# KiCad board thunderbolt-adapter.kicad_pcb (continued)
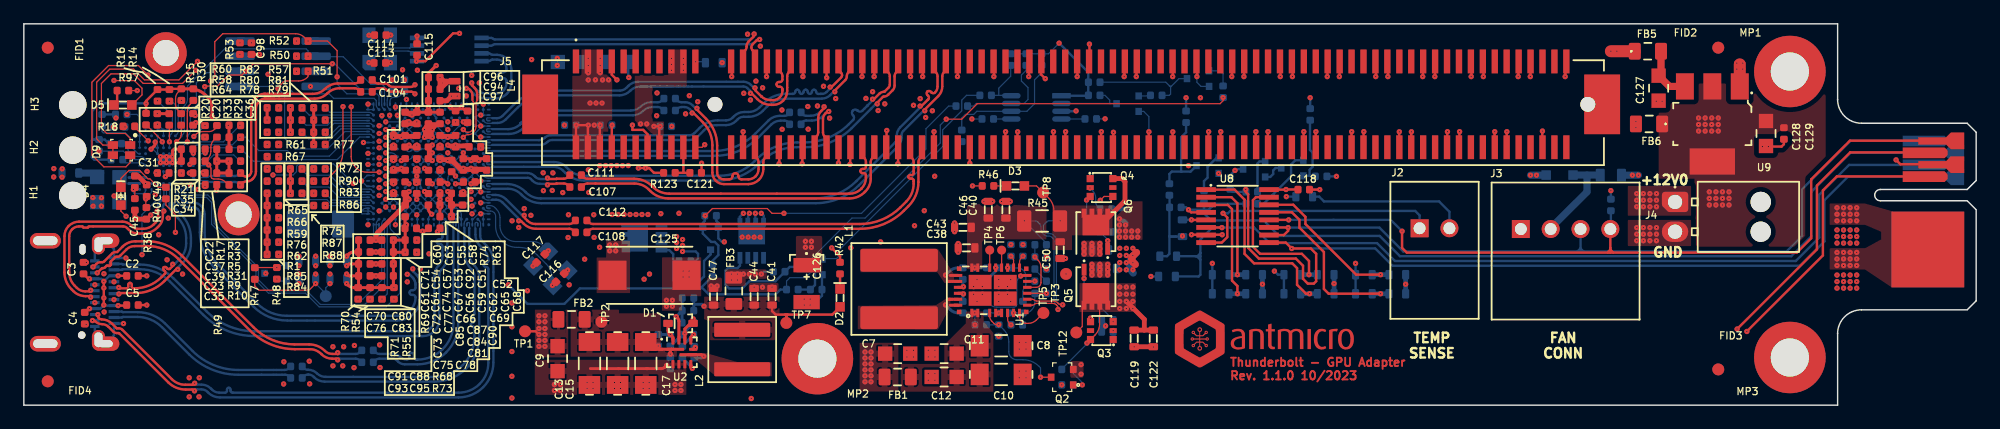
[diagram p0: board, top side]
## Nets (continued)
Net-(D9-Pad1): D9.1 R127.2
Net-(D9-Pad2): D9.2 R128.2
Net-(L3-Pad1): L3.1 U4.C1 U4.C2 U4.D1
Net-(Q1-Pad1): Q1.1 R47.2 R48.2
Net-(Q1-Pad3): Q1.3 R49.1
Net-(Q2-Pad1): Q2.1 R91.2 R92.2
Net-(Q3-Pad2): Q3.2 R93.2
Net-(Q3-Pad3): Q3.3 Q5.4 R95.2
Net-(Q3-Pad4): Q3.4 Q5.1 Q5.2 Q5.3 R98.2
Net-(Q4-Pad2): Q4.2 R94.2
Net-(Q4-Pad3): Q4.3 Q6.4 R96.2
Net-(Q4-Pad4): Q4.4 Q6.1 Q6.2 Q6.3 R99.2
Net-(Q7-Pad3): Q7.3 Q9.4 R121.1
Net-(Q10-Pad4): Q8.3 Q10.4 R122.1
Net-(Q11-Pad1): Q11.1 R117.2
Net-(Q11-Pad3): Q11.3 R126.1 R127.1
Net-(Q12-Pad1): Q12.1 R132.2
Net-(Q12-Pad2): Q12.2 Q13.3
Net-(Q13-Pad1): Q13.1 R131.2
Net-(Q13-Pad2): Q13.2 R128.1 R133.2
Net-(Q14-Pad1): Q14.1 R134.2
Net-(Q14-Pad3): Q14.3 R135.1 R136.1
Net-(Q15-Pad1): Q15.1 R136.2
Net-(Q15-Pad3): Q15.3 R137.1 U10.2
Net-(R12-Pad2): R12.2 U1.13
Net-(R13-Pad2): R13.2 U1.8
Net-(R14-Pad2): R14.2 U3.A5
Net-(R15-Pad2): R15.2 U3.B5
Net-(R16-Pad2): R16.2 U3.B6
Net-(R17-Pad2): R17.2 U3.B2
Net-(R18-Pad2): R18.2 U3.C10
Net-(R19-Pad2): R19.2 U3.G10
Net-(R20-Pad2): R20.2 U3.D7
Net-(R21-Pad2): R21.2 U3.E2 U3.F2
Net-(R24-Pad2): R24.2 R27.1 U1.19
Net-(R25-Pad1): R25.1 U1.15
Net-(R28-Pad1): R28.1 U1.18
Net-(R29-Pad1): R29.1 U3.D5
Net-(R30-Pad1): R30.1 U3.E4
Net-(R31-Pad1): R31.1 U3.F1
Net-(R32-Pad1): R32.1 U3.E11
Net-(R33-Pad1): R33.1 U3.D6
Net-(R34-Pad1): R34.1 U3.F10
Net-(R35-Pad1): R35.1 U3.G2
Net-(R43-Pad1): R43.1 R44.2 U1.14
Net-(R56-Pad2): R56.2 U4.AC5
Net-(R57-Pad2): R57.2 U4.AA2
Net-(R58-Pad2): R58.2 U4.Y5
Net-(R59-Pad2): R59.2 U4.R4
Net-(R60-Pad2): R60.2 U4.Y6
Net-(R61-Pad2): R61.2 U4.Y8
Net-(R62-Pad2): R62.2 U4.N4
Net-(R63-Pad2): R63.2 U4.Y18
Net-(R64-Pad2): R64.2 U4.Y4
Net-(R65-Pad2): R65.2 U4.V4
Net-(R66-Pad2): R66.2 U4.T4
Net-(R67-Pad2): R67.2 U4.W4
Net-(R68-Pad2): R68.2 U4.H19
Net-(R69-Pad1): R69.1 U4.J6
Net-(R69-Pad2): R69.2 U4.H6
Net-(R70-Pad1): R70.1 U4.B4
Net-(R71-Pad1): R71.1 U4.B5
Net-(R72-Pad1): R72.1 U4.G2
Net-(R73-Pad1): R73.1 U4.F19
Net-(R74-Pad1): R74.1 U4.N16
Net-(R75-Pad1): R75.1 U4.G1
Net-(R76-Pad1): R76.1 U4.N6
Net-(R77-Pad1): R77.1 U4.V2
Net-(R78-Pad1): R78.1 U4.W1
Net-(R79-Pad1): R79.1 U4.W2
Net-(R80-Pad1): R80.1 U4.Y1
Net-(R81-Pad1): R81.1 U4.Y2
Net-(R82-Pad1): R82.1 U4.AA1
Net-(R83-Pad1): R83.1 U4.E2
Net-(R84-Pad1): R84.1 U4.D4
Net-(R85-Pad1): R85.1 U4.H4
Net-(R86-Pad1): R86.1 U4.D2
Net-(R87-Pad1): R87.1 U4.F1
Net-(R88-Pad1): R88.1 U4.E1
Net-(R89-Pad1): R89.1 U4.AB5
Net-(R138-Pad2): R138.2 U10.5
Net-(R139-Pad1): R139.1 R142.1 U10.8
Net-(R140-Pad1): R140.1 R143.1 U10.7
Net-(R141-Pad1): R141.1 R144.1 U10.6
Net-(TP4-Pad1): TP4.1 U1.22
Net-(TP5-Pad1): TP5.1 U1.10
Net-(TP6-Pad1): TP6.1 U1.20

Pads without a net: J5 A1 A5 A6 A7 A8 A19 A32 A33 A35 A36 A39 A40 A43 A44 A47 A48 A50 A52 A53 A56 A57 A60 A61 A64 A65 A68 A69 A72 A73 A76 A77 A80 A81 B5 B6 B9 B12 B17 B30 B31 B33 B34 B37 B38 B41 B42 B45 B46 B48 B50 B51 B54 B55 B58 B59 B62 B63 B66 B67 B70 B71 B74 B75 B78 B79 B81 B82 S1 S2; MP4 1; MP5 1; Q3 1 5; Q4 1 5; U1 MP; U3 A9 A10 B9 B10 C2 D10 E10 F4 G4 G11 H6 L11; U4 A7 A9 A11 A13 A23 AB7 AB9 AB11 AB13 AB15 AB17 AB19 AB21 AB23 AC7 AC9 AC11 AC13 AC15 AC17 AC19 AC21 AC23 B7 B9 B11 B13 B23 D19 E18 E19 J1 J2 L1 L2 N1 N2 R1 R2 V18 W11 W12 W16 W19 Y11 Y12 Y16 Y19

## Via types
v1: diameter 0.45, hole 0.1, Top to Bottom, 1002 vias

## Routing (per net, layer and track width the routed paths; a pad name or vN(x,y) marks a point on that pad's centre or on a via; arc(x,y) is an arc through that point)
3V3_FAN_CTRL: length 171.1
  Top w0.1: v1(14.55,28.85) 13,27.3 10.1,27.3 9.2,28.2 7.2,28.2 6.1,27.1 6.1,22.35 6.62,21.83 D9.4 D9.3 ; 106.77,18.1 C118.2 ; 105.74,18.09 arc(105.76,18.09) v1(105.78,18.1)
  Top w0.2: U8.16 105.74,18.09 ; v1(105.78,18.1) 106.77,18.1
  In2.Cu w0.1: v1(14.55,28.85) 14.6,28.9 25.2,28.9 26.6,30.3 58.8,30.3 60.4,28.7 98.3,28.7 99,28 99,26.9 98.6,26.5 v1(98.6,25.8)
  In2.Cu w0.2: v1(99.6,11.9) 100.8,13.1 101.6,13.1
  In2.Cu w0.6: v1(135.1,23.8) v1(135.1,23.3) 134.9,23.5 128.2,23.5 127.9,23.8 102.3,23.8 101.6,23.1 101.6,13.1
  Bottom w0.2: 96.55,14.15 R119.2 ; 96.55,14.15 96.05,14.15 96,14.2 96,16.58 R114.2 96.01,17.6 R126.2 ; 96.55,14.15 96,14.15 96,12.7 95.8,12.5 R112.2 ; R102.2 105.6,10.6 ; R108.2 105.1,10.95 v1(104.8,11.25) ; R106.2 v1(111.6,11.9) ; R104.2 R110.2 v1(99.6,11.9) ; R129.2 101.1,19.3 101.6,19.8 102.18,19.8
  vias: v1(97.1,14.2) v1(97.6,20.1) v1(101.5,19.7)
3V3_PCIE: length 146.3
  Top w0.2: 159.49,19.2 151.94,19.2 150.77,18.03 150.77,12.57 144.4,6.19 v1(144.4,6.19) ; 53.25,22.26 53.25,23.33 v1(53.32,23.4) v1(52.8,23.4)
  In2.Cu w0.2: v1(60.2,14.1) 59.67,14.1 56.61,17.16 54.86,17.16 53.83,16.13 53.83,10.42 63.69,0.56 141.99,0.56 144.16,2.73 144.16,5.95 v1(144.4,6.19)
  Bottom w0.2: 61,14.36 60,15.36 60,15.8 v1(60.3,16.1) ; 61,14.36 60.7,14.66 60.7,16 v1(60.8,16.1) ; 61,14.36 62,15.36 62,15.9 v1(61.8,16.1) ; 61,14.36 61.3,14.66 v1(61.3,16.1)
  vias: v1(51.68,23.6) v1(52.2,23.6) v1(54.27,29.1) v1(54.27,28.6) v1(54.27,28.1) v1(55.27,29.1) v1(55.27,28.6) v1(55.27,28.1) v1(60.7,14.1) v1(61.2,14.1) v1(61.7,14.1) v1(65.5,13.75) v1(65.5,13.25) v1(66,13.75) v1(66,13.25)
3V3_PCIE_AUX: length 3.4
  Top w0.2: J5.B10 55.27,19.53 55.3,19.5 ; 55.3,19.5 C121.2 ; 55.3,19.5 R123.2
3V3_PGOOD: length 1.6
  Top w0.25: U2.5 55.89,3.3 arc(55.91,3.22) 55.96,3.15 v1(56.02,3.09)
  Bottom w0.25: R23.1 56,3.14 arc(56.02,3.13) 56.02,3.11 v1(56.02,3.09)
3V3_SYS: length 108.8
  Top w0.1: D4.1 8.13,16.29 v1(8.57,15.85)
  Top w0.2: 52.4,19.9 v1(51.5,19.9) ; 52.4,19.9 v1(52.1,19.9) ; 52.4,19.9 52.8,19.5 53.62,19.5 ; v1(32.9,28.87) 33.64,28.87 35.97,31.2 v1(36.51,31.2)
  Top w0.25: 32.05,17.87 32.01,17.83 arc(31.97,17.76) 31.95,17.68 ; R2.2 R3.2 R5.2 ; C115.2 U6.1 ; L4.2 35.98,25.94 arc(35.88,25.92) 35.79,25.86
  Top w0.4: C93.2 v1(29.51,12.85) C95.2 ; C97.2 35.44,25.54 v1(35.83,25.93) ; C76.2 v1(29.51,10.85) C83.2 ; v1(29.51,13.85) 29.51,14.1 arc(29.55,14.32) 29.68,14.51 C73.2 ; v1(29.51,13.85) C88.2 ; v1(29.51,13.85) C91.2 ; C73.2 31.95,16.95 v1(32.28,17.28) U4.F8 C72.2 C73.2 ; C70.2 v1(29.51,11.85) C80.2
  In2.Cu w0.1: v1(11.3,14.3) 10.6,15 8.7,15 8.57,15.13 v1(8.57,15.85)
  In2.Cu w0.2: 51.9,10.5 52.89,11.49 52.89,18.71 52.1,19.5 v1(52.1,19.9) v1(51.5,19.9) ; v1(36.51,31.2) 59.58,31.2 61.23,29.55 85.93,29.55 v1(86.76,30.38)
  Bottom w0.1: U3.H1 14.86,19.6 arc(14.92,19.59) 14.97,19.56 v1(15.01,19.51) ; v1(29.51,13.85) 29.52,13.86 arc(29.53,13.88) 29.53,13.89 29.53,15.21 arc(29.56,15.36) 29.65,15.49 U4.B3 ; v1(29.51,13.85) 29.4,13.95 arc(29.33,14.07) 29.3,14.2 U4.A2 U4.A3 29.76,14.29 arc(29.73,14.12) 29.63,13.98 v1(29.51,13.85) ; v1(15.18,22.5) 15.13,22.55 arc(15.07,22.59) 15,22.6 U3.B1 ; 32.6,18.25 v1(32.28,17.93) U4.F8 v1(32.28,17.28) ; R139.2 R141.2 85.87,29.48 v1(86.76,30.38)
  Bottom w0.2: U10.1 89.2,25.97 89.2,27.94 v1(86.76,30.38) ; R121.2 62,11.2 v1(61.8,11)
  vias: v1(17.14,23.48) v1(18.11,30.41) v1(19.07,30.4) v1(20.39,22.9) v1(20.39,20.85) v1(20.39,19.85) v1(20.39,18.8) v1(22.85,30.56) v1(22.85,29.28) v1(22.85,28.02) v1(24.29,18.8) v1(24.29,17.8) v1(31.89,27.3) v1(36.32,25.93) v1(51.98,10.57) v1(52.43,11) v1(59.3,11) v1(59.3,10.5) v1(59.8,11) v1(59.8,10.5) v1(60.3,11) v1(60.8,11) v1(61.3,11)
5V0_USB: length 112.1
  Top w0.2: 159.07,21.21 153.05,21.21 150.27,18.43 150.27,13.08 v1(143.58,6.39) ; v1(7.9,8.35) 8.57,8.35 C5.2 ; v1(5.5,10.6) 5.42,10.6 C3.2 ; C2.2 8.61,10.85 v1(7.9,10.85) ; TP1.1 42.9,6.2 v1(43.16,5.93) ; C4.2 5.42,8.1 v1(5.5,8.1) ; v1(6.7,8.4) v1(6.7,10.39)
  In2.Cu w0.2: v1(70.99,1.96) 71.78,1.17 141.46,1.17 143.58,3.29 v1(143.58,6.39)
  Bottom w0.1: v1(5.5,8.1) 5.94,8.1 J9.B9
  Bottom w0.2: 7.55,8.35 6.75,8.35 v1(6.7,8.4) 6.4,8.1 5.95,8.1 ; 7.55,10.85 7.16,10.85 v1(6.7,10.39) 6.49,10.6 5.95,10.6 ; J9.B4 5.94,10.6 v1(5.5,10.6)
  vias: v1(2.51,19.85) v1(2.5,19.15) v1(3.21,19.83) v1(3.2,19.13) v1(6.7,9.84) v1(6.7,9) v1(43.16,7.5) v1(43.16,7) v1(43.16,6.43) v1(43.16,5.43) v1(43.16,4.93) v1(43.66,7.5) v1(43.66,7) v1(43.66,6.43) v1(43.66,5.93) v1(43.66,5.43) v1(43.66,4.93) v1(70.49,4.46) v1(70.49,3.96) v1(70.49,3.46) v1(70.49,2.96) v1(70.49,2.46) v1(70.49,1.96) v1(70.99,4.46) v1(70.99,3.96) v1(70.99,3.46) v1(70.99,2.96) v1(70.99,2.46)
12V0_DCDC: length 12.4
  Top w0.1: D3.1 84.86,18.4 TP8.1 85.87,17.39 arc(86.2,16.89) 86.32,16.31 86.32,15.68 86.54,15.45 R45.2 86.81,15.47 86.49,15.47
  Top w0.4: Q6.5 90.24,15.12 92.28,17.16 92.28,18.77 92.03,19.01 Q4.6
  Bottom w0.1: TP11.2 85.75,15.41 arc(85.82,15.46) 85.9,15.47 v1(86.85,15.47)
12V0_MOLEX: length 141.7
  Top w0.1: v1(89.09,5.21) 89.39,5.51 arc(89.39,5.51) 89.39,5.51 arc(89.39,5.51) 89.39,5.51 89.77,5.89 arc(90.05,6.31) 90.15,6.81 90.15,8.85 ; Q5.5 88.7,8.24 88.7,6.6 TP12.1 ; v1(7.55,27.25) 7.56,27.24 9.26,27.24 9.9,26.6 9.9,26.04 D5.1
  Top w0.4: 93.9,6.3 C119.2 ; 93.9,6.3 93.9,7.2 v1(92.39,8.71) ; 93.9,6.3 C122.2
  In2.Cu w0.1: v1(7.55,27.25) 7.54,27.24 2.34,27.24 0.9,25.8 0.9,17.37 3.46,14.81 3.46,3.72 4.29,2.9 19.2,2.9 20.9,1.2 41.3,1.2 41.95,0.55 60.95,0.55 v1(60.96,0.56)
  In3.Cu w0.1: v1(60.96,0.56) 61.02,0.5 88.3,0.5 89.09,1.29 v1(89.09,5.21)
  Bottom w0.1: v1(89.09,5.21) 89.09,5.18 arc(89.08,5.15) 89.07,5.12 86.99,3.04 arc(86.98,3.03) 86.98,3.02 R91.1
  vias: v1(91.84,9.91) v1(91.84,9.31) v1(91.84,8.71) v1(91.84,8.11) v1(92.39,9.91) v1(92.39,9.31) v1(92.39,8.11) v1(92.94,9.91) v1(92.94,9.31) v1(92.94,8.71) v1(92.94,8.11) v1(135.17,14.9) v1(135.17,14.35) v1(135.17,13.8) v1(135.72,14.9) v1(135.72,14.35) v1(135.72,13.8) v1(136.27,14.9) v1(136.27,14.35) v1(136.27,13.8) v1(136.82,14.9) v1(136.82,14.35) v1(136.82,13.8) v1(151.95,16.57) v1(151.95,16.02) v1(151.95,15.47) v1(151.95,12.82) v1(151.95,12.27) v1(151.95,11.72) v1(152.5,16.57) v1(152.5,16.02) v1(152.5,15.47) v1(152.5,12.82) v1(152.5,12.27) v1(152.5,11.72) v1(153.05,16.57) v1(153.05,16.02) v1(153.05,15.47) v1(153.05,12.82) v1(153.05,12.27) v1(153.05,11.72) v1(153.6,16.57) v1(153.6,16.02) v1(153.6,15.47) v1(153.6,12.82) v1(153.6,12.27) v1(153.6,11.72)
12V0_PCIE: length 6.6
  Top w0.2: v1(48.3,23.5) 48.27,23.47 J5.B3 ; J5.B1 46.27,23.49 v1(46.28,23.5) v1(47.3,23.5) 47.27,23.47 J5.B2 ; 48.27,23.63 48.25,23.65
  vias: v1(47.29,29.1) v1(47.3,28.5) v1(47.3,27.89) v1(47.3,27.29) v1(47.45,25.35) v1(47.8,23.5) v1(47.9,27.3) v1(47.95,25.35) v1(48.3,29.1) v1(48.3,28.5) v1(48.3,27.9) v1(48.27,20.1) v1(48.5,27.29) v1(48.45,25.35) v1(48.75,20.11) v1(49,27.3) v1(49.1,13.45) v1(49.1,12.95) v1(49.22,20.1) v1(49.3,16) v1(49.6,13.45) v1(49.6,12.95) v1(49.7,20.11) v1(49.8,16) v1(50.17,20.1) v1(50.3,16) v1(50.65,20.11) v1(50.8,16) v1(51.3,16) v1(51.8,16) v1(52.3,16)
12V0_PGOOD: length 9.7
  Top w0.1: v1(83.54,10.84) 83.57,10.86 arc(83.59,10.88) 83.63,10.89 U1.16
  In3.Cu w0.1: v1(87.34,11.01) 83.84,11.01 arc(83.73,10.99) 83.63,10.93 v1(83.54,10.84)
  Bottom w0.1: R22.1 80.95,8.47 arc(81.22,8.29) 81.54,8.22 82.97,8.22 arc(83.06,8.24) 83.14,8.29 arc(83.19,8.37) 83.21,8.46 83.21,10.27 arc(83.25,10.49) 83.38,10.67 v1(83.54,10.84)
12V0_SYS: length 78.9
  Top w0.6: 93.24,12.81 92.92,12.49 arc(92.82,12.26) 92.92,12.04 93.14,11.81
  Top w1: FB5.1 v1(133,29.7)
  In2.Cu w0.6: v1(134.81,19.3) 135.9,19.3 136.3,19.7 136.3,24.1 131.85,28.55 v1(133,29.7) v1(133.5,29.7)
  In2.Cu w1: v1(92.94,11.96) 93.66,11.96 94.7,13 94.7,18 95.2,18.5 95.2,23.3 96.7,24.8 128.1,24.8 v1(133,29.7) v1(133.5,29.7)
  In3.Cu w0.4: v1(135.31,19.3) v1(134.81,19.3)
  Bottom w0.2: v1(55.2,12.9) 56.3,12.9 56.5,12.7 56.5,12.3 56.3,12.1 55.88,12.1
  Bottom w0.6: 92.92,12.49 93.24,12.81 ; 92.92,12.49 arc(92.82,12.26) 92.92,12.04 ; 92.92,12.49 arc(92.75,12.24) 92.69,11.94 ; FB4.2 v1(135.31,19.3) ; 92.69,11.94 92.69,11.75 arc(92.76,11.39) 92.97,11.09 ; 92.69,11.94 arc(92.77,12.07) 92.92,12.04 ; 92.92,12.04 93.14,11.81
  vias: v1(54.7,14.15) v1(54.7,13.65) v1(54.7,13.15) v1(55.2,13.9) v1(55.2,13.4) v1(91.84,13.16) v1(91.84,12.56) v1(91.84,11.96) v1(91.84,11.36) v1(92.39,13.16) v1(92.39,12.56) v1(92.39,11.96) v1(92.39,11.36) v1(92.94,13.16) v1(92.94,12.56) v1(92.94,11.36)
/Power/3V3_PCIE_EN: length 24.7
  Bottom w0.1: 80.12,26 79,26 78.6,25.6 78.6,24.7 77,23.1 77,21.7 68.3,13 68.3,12.5 68.1,12.3 66.97,12.3 Q7.1
  Bottom w0.2: 64.88,9.7 R124.2 66.3,10.09 66.3,12 66.55,12.25 Q7.1
/Power/12V0_PCIE_EN: length 31.3
  Top w0.1: v1(57.1,15.9) 57.7,16.5 62.3,16.5 62.7,16.1 v1(63.7,16.1)
  Bottom w0.1: v1(63.7,16.1) 70.2,16.1 75.6,21.5 75.6,23.2 77.5,25.1 78.12,25.1
  Bottom w0.2: 57.7,11.78 57.7,12.1 58.2,12.6 58.2,13.4 57.9,13.7 57.6,13.7 56.9,14.4 Q8.1 56.9,15.3 57.06,15.47 R125.2
GND: length 388.8
  Top w0.1: 16.14,18.35 16.14,18.03 arc(16.14,18.03) v1(16.14,18.03) ; v1(17.13,20.48) 17.13,20.48 ; v1(28.92,31.04) 28.93,31.05 C114.1 ; C36.2 14.19,24.46 arc(14.21,24.46) 14.22,24.45 v1(14.36,24.31) ; v1(9.5,26.4) R97.1 ; v1(34.66,14.56) 34.66,14.59 arc(34.66,14.62) 34.68,14.65 C78.1 ; C113.1 30.65,28.72 arc(30.69,28.72) v1(30.72,28.74) ; R46.1 v1(79.5,18.4) ; C116.2 v1(45.57,11.33)
  Top w0.2: 109.25,28.97 109.25,27.61 arc(109.24,27.59) v1(109.23,27.57) ; 112.28,21.55 112.28,22.91 arc(112.28,22.93) v1(112.29,22.95) ; J5.B4 49.27,23.47 v1(49.3,23.5) ; 76.26,21.55 76.26,22.91 arc(76.26,22.93) v1(76.28,22.95) ; 59.34,27.61 59.34,28.97 ; v1(10.63,15.95) 10.61,15.95 R40.1 ; v1(56.79,20.3) 56.79,19.51 C121.1 ; 123.25,21.55 123.25,22.91 arc(123.25,22.93) v1(123.27,22.95) ; 100.29,21.55 100.29,22.91 arc(100.29,22.93) v1(100.31,22.95) ; 79.26,21.6 79.27,21.59 v1(79.27,20.3) ; C5.1 v1(10.3,8.4) ; 108.26,21.55 108.26,22.91 arc(108.27,22.93) v1(108.28,22.95) ; 62.26,28.97 62.26,27.61 arc(62.25,27.59) v1(62.24,27.57) ; 86.27,21.55 86.27,22.91 arc(86.27,22.93) v1(86.28,22.95) ; 119.29,21.55 119.29,22.91 arc(119.29,22.93) v1(119.3,22.95) ; 78.26,28.97 78.26,27.61 arc(78.25,27.59) v1(78.24,27.57) ; v1(100.43,14.3) 100.42,14.3 97.86,14.3 v1(97.85,14.3) ; v1(85.6,27.4) 85.24,27.76 85.24,28.97 ; 52.28,22.21 52.28,22.42 ; 92.23,28.97 92.23,27.61 arc(92.22,27.59) v1(92.21,27.57) ; v1(156.9,20.58) 157.26,20.22 161.85,20.22 162.03,20.4 ; 103.24,21.55 103.24,22.91 arc(103.24,22.93) v1(103.25,22.95) ; 120.3,21.55 120.3,22.91 arc(120.31,22.93) v1(120.32,22.95) ; v1(51,23.5) 51,23.1 51.9,23.1 52.27,22.73 J5.B7 ; 121.31,28.97 121.31,27.61 arc(121.31,27.59) v1(121.29,27.57) ; 115.25,21.54 115.25,22.9 arc(115.26,22.92) v1(115.27,22.94) ; 87.28,21.55 87.28,22.91 arc(87.29,22.93) v1(87.3,22.95) ; 129.19,28.97 129.19,27.61 arc(129.18,27.59) v1(129.17,27.57) ; 107.25,21.55 107.25,22.91 arc(107.25,22.93) v1(107.26,22.95) ; 110.26,28.97 110.26,27.61 arc(110.26,27.59) v1(110.25,27.57) ; 122.33,28.97 122.33,27.61 arc(122.32,27.59) v1(122.31,27.57) ; 70.26,28.97 70.26,27.61 arc(70.25,27.59) v1(70.24,27.57) ; 90.28,21.55 90.28,22.91 arc(90.29,22.93) v1(90.3,22.95) ; 101.25,28.97 101.25,27.61 arc(101.24,27.59) v1(101.23,27.57) ; C129.1 147.5,21.9 147.3,21.7 v1(146.2,21.7) ; 124.27,21.55 124.27,22.91 arc(124.27,22.93) v1(124.28,22.95) ; v1(67.28,27.48) 67.27,27.49 67.27,28.84 ; 125.25,28.97 125.25,27.61 arc(125.24,27.59) v1(125.23,27.57) ; R42.1 68.4,12.5 v1(67.7,13.2) ; 63.31,21.65 63.31,20.3 arc(63.3,20.28) v1(63.29,20.26) ; 91.3,21.5 91.3,22.86 arc(91.3,22.88) v1(91.31,22.9) ; 49.27,28.84 49.27,27.73 v1(49.7,27.3) ; 114.33,28.97 114.33,27.61 arc(114.32,27.59) v1(114.31,27.57) ; 82.26,21.55 82.26,22.91 arc(82.26,22.93) v1(82.27,22.95) ; 111.26,21.55 111.26,22.91 arc(111.27,22.93) v1(111.28,22.95) ; 65.24,21.65 65.24,20.3 arc(65.23,20.28) v1(65.22,20.26) ; 71.27,28.97 71.27,27.61 arc(71.27,27.59) v1(71.26,27.57) ; v1(89.3,30.3) 89.3,28.98 89.31,28.97 ; 98.32,28.97 98.32,27.61 arc(98.32,27.59) v1(98.31,27.57) ; 126.26,28.97 126.26,27.61 arc(126.26,27.59) v1(126.25,27.57) ; 118.26,28.97 118.26,27.61 arc(118.26,27.59) v1(118.25,27.57) ; 99.27,21.55 99.27,22.91 arc(99.28,22.93) v1(99.29,22.95) ; 127.25,21.6 127.25,22.96 arc(127.25,22.98) v1(127.26,23) ; 94.27,21.54 94.27,22.9 arc(94.27,22.92) v1(94.28,22.94) ; 69.25,21.6 69.25,20.25 arc(69.25,20.22) v1(69.23,20.21) ; 84.23,28.97 84.23,27.61 arc(84.22,27.59) v1(84.21,27.57) ; 88.29,28.97 88.29,27.61 arc(88.29,27.59) v1(88.28,27.57) ; 117.25,28.97 117.25,27.61 arc(117.24,27.59) v1(117.23,27.57) ; 93.24,28.97 93.24,27.61 arc(93.24,27.59) v1(93.23,27.57) ; v1(94.66,4.88) 94.65,4.89 C122.1 ; 60.26,21.55 60.26,22.91 arc(60.26,22.93) v1(60.27,22.95) ; 72.3,21.65 72.3,23.01 arc(72.3,23.03) v1(72.31,23.05) ; 65.3,28.97 65.3,27.61 arc(65.3,27.59) v1(65.29,27.57) ; 96.29,28.97 96.29,27.61 arc(96.29,27.59) v1(96.28,27.57) ; C118.1 v1(108.6,18.09) ; 68.29,21.71 68.29,20.35 arc(68.28,20.33) v1(68.27,20.31) ; 104.25,21.55 104.25,22.91 arc(104.26,22.93) v1(104.27,22.95) ; 81.31,28.97 81.31,27.61 arc(81.3,27.59) v1(81.29,27.57) ; 74.32,28.97 74.32,27.61 arc(74.32,27.59) v1(74.31,27.57) ; 102.26,28.97 102.26,27.61 arc(102.26,27.59) v1(102.25,27.57) ; 105.31,28.97 105.31,27.61 arc(105.3,27.59) v1(105.29,27.57) ; C2.1 v1(10.3,10.85) ; 116.27,21.54 116.27,22.9 arc(116.27,22.92) v1(116.28,22.94) ; 96.27,21.54 96.27,22.9 arc(96.27,22.92) v1(96.28,22.94) ; 106.32,28.97 106.32,27.61 arc(106.32,27.59) v1(106.31,27.57) ; 75.34,28.97 75.34,27.61 arc(75.33,27.59) v1(75.32,27.57) ; 113.31,28.97 113.31,27.61 arc(113.31,27.59) v1(113.29,27.57) ; 73.26,21.65 73.26,20.3 arc(73.26,20.28) v1(73.25,20.26) ; 83.27,21.54 83.27,22.9 arc(83.27,22.92) v1(83.28,22.94)
  Top w0.25: v1(11.95,20.35) v1(11.95,20.85) ; v1(11.95,20.35) v1(11.45,20.35) v1(11.45,20.85) v1(11.95,20.85) ; v1(11.95,20.35) v1(12.45,20.35) ; v1(11.95,20.85) v1(12.45,20.85) ; 30.97,12.84 30.97,11.85 arc(30.97,11.85) v1(30.97,11.85) C83.1 30.97,9.94 arc(30.97,9.91) 30.99,9.89 v1(31.01,9.87) R71.2 R54.1 28.04,9.87 ; 30.97,12.84 30.97,12.87 ; 30.97,12.84 arc(30.97,12.84) 30.98,12.84 ; C70.1 27.31,11.85 arc(27.21,11.83) 27.13,11.78 v1(27.05,11.7) ; C70.1 C76.1 ; C70.1 C93.1 ; v1(27.05,11) 27.13,10.93 arc(27.21,10.87) 27.31,10.85 C76.1 ; v1(22.34,17.78) R87.2 R75.2 ; v1(12.45,20.35) 12.97,20.35 arc(13.06,20.37) 13.13,20.42 arc(13.18,20.49) 13.19,20.57 R21.1 12.59,21.48 12.45,21.33 v1(12.45,20.85) ; v1(12.45,20.35) v1(12.45,20.85) ; v1(24.29,21.88) R79.2 R81.2 R57.1 ; C55.1 C58.1 ; C55.1 32.97,24.58 ; C55.1 v1(33.9,25.02) 33.9,25.53 arc(33.9,25.53) 33.91,25.54 arc(33.91,25.54) 33.91,25.55 C94.1 C96.1 33.91,27.68 arc(33.94,27.84) 34.04,27.98 v1(34.55,28.5) ; C76.1 28.05,9.93 arc(28.05,9.91) 28.03,9.88 ; v1(10.66,21.48) 10.92,21.74 arc(10.99,21.84) 11.01,21.95 v1(11.01,22.08) ; v1(27.05,10.2) 27.22,10.03 arc(27.41,9.91) 27.62,9.87 27.99,9.87 ; D1.A 55.86,6.86 55.39,6.39 v1(55.39,6.03) U2.9 ; v1(32.93,17.28) C77.1 ; 32.89,24.58 32.12,24.58 arc(32.06,24.54) 32.07,24.46 32.08,24.46 arc(32.21,24.37) 32.36,24.34 v1(32.52,24.34) 32.6,24.34 arc(32.68,24.36) 32.74,24.4 32.9,24.56 ; 32.89,24.58 arc(32.9,24.58) 32.9,24.56 ; 32.89,24.58 arc(32.92,24.59) 32.95,24.61 ; C59.1 35.85,19.57 arc(35.86,19.55) 35.87,19.54 v1(36.18,19.23) ; C66.1 34,18.73 arc(34.07,18.71) 34.13,18.67 v1(34.23,18.58) ; C68.1 C65.1 C62.1 v1(36.83,21.18) ; C98.1 19.75,29.44 arc(19.75,29.44) 19.76,29.43 v1(19.76,29.43) ; v1(20.39,12.68) R85.2 v1(20.39,14.7) v1(20.39,15.7) R76.2 v1(20.39,17.78) ; v1(32.28,18.58) 32.18,18.68 arc(32.11,18.72) 32.03,18.73 C72.1 ; R68.1 31.96,12.84 arc(31.96,12.84) 31.95,12.83 v1(31.95,12.83) 31,12.83 arc(30.99,12.83) 30.98,12.84 ; R68.1 31.96,14.81 arc(31.95,14.82) 31.95,14.83 arc(31.94,14.84) 31.94,14.85 31.94,15.79 arc(31.94,15.8) 31.94,15.81 C73.1 ; R68.1 v1(30.97,13.85) 30.97,12.87 ; C93.1 C91.1 ; C93.1 27.65,12.85 arc(27.42,12.81) 27.23,12.68 v1(27.05,12.5) ; R82.2 v1(22.34,23.93) v1(22.34,22.9) ; 30.97,12.87 arc(30.97,12.85) 30.98,12.84 ; v1(34.18,16.03) 34.04,16.16 arc(33.94,16.32) 33.9,16.5 C85.1 ; C39.2 C23.1 R9.1 R31.2 C39.2 ; C39.2 C37.2 ; 32.9,24.56 arc(32.93,24.58) 32.97,24.58 ; v1(16.14,18.03) 16.15,18.04 arc(16.16,18.05) 16.16,18.06 C35.2 ; C90.1 35.85,16.79 arc(35.85,16.79) 35.84,16.8 ; 28.04,9.87 27.99,9.87 ; 28.04,9.87 arc(28.03,9.87) 28.03,9.88 ; 32.97,24.58 arc(32.95,24.59) 32.95,24.61 ; v1(20.39,24.95) v1(20.39,23.93) ; 35.84,16.79 35.84,16.81 ; 35.84,16.79 C81.1 ; 35.84,16.79 arc(35.84,16.8) 35.84,16.8 ; 35.84,16.81 C87.1 ; 35.84,16.81 arc(35.84,16.8) 35.84,16.8 ; v1(53.86,3.33) 53.73,3.2 arc(53.59,3.1) 53.41,3.07 47.48,3.07 ; v1(11.18,24.46) 12.18,24.46 arc(12.18,24.46) R33.2 ; R63.1 37.08,24.79 36.98,24.79 arc(36.88,24.82) 36.79,24.89 v1(36.66,25.01) 36.53,24.88 arc(36.43,24.81) 36.31,24.79 36.07,24.79 arc(35.98,24.81) 35.89,24.86 v1(35.74,25.01) ; C115.1 v1(32.95,30.97) ; v1(32.98,25.02) 32.98,24.68 arc(32.97,24.64) 32.95,24.61 ; v1(37.48,18.58) 37.56,18.66 arc(37.63,18.71) 37.72,18.73 C69.1 38.12,18.73 arc(38.19,18.74) 38.24,18.77 v1(38.29,18.82) ; 27.99,9.87 arc(28.01,9.87) 28.03,9.88 ; 10.19,18.59 arc(10.18,18.58) 10.18,18.57 ; v1(35.53,22.48) 35.15,22.48 arc(35.04,22.5) 34.96,22.56 arc(34.95,22.61) 34.99,22.64 36.06,22.64 arc(36.11,22.61) 36.1,22.56 arc(36.01,22.5) 35.91,22.48 v1(35.53,22.48) ; 31.25,22.48 v1(31.63,22.48) 32.66,22.48 arc(32.76,22.5) 32.85,22.56 arc(32.86,22.61) 32.81,22.64 31.09,22.64 arc(31.05,22.61) 31.06,22.56 arc(31.14,22.5) 31.25,22.48 ; 33.96,21.44 v1(34.23,21.18) 33.96,20.91 arc(33.92,20.84) 33.9,20.77 33.9,21.58 arc(33.92,21.51) 33.96,21.44
  Top w0.4: v1(87.29,12.31) 86.85,12.31 C50.1 ; C45.1 9.57,19.23 v1(10.2,18.6) ; v1(42.67,11.68) C117.2 ; v1(93.05,4.9) C122.1 ; 10.2,15.61 9.44,15.61 9.3,15.76 R38.1
  Top w1: U9.1 143.8,28.6
  Bottom w0.1: U4.W20 38.23,23.45 arc(38.25,23.45) 38.27,23.44 v1(38.29,23.42) ; 36.15,15.95 36.2,16 ; 36.15,15.95 36.1,15.9 arc(36.01,15.84) 35.91,15.82 v1(35.74,15.82) ; 36.15,15.95 arc(36.16,15.98) 36.15,16 ; 36.2,16 36.22,16.02 ; 36.2,16 arc(36.18,15.99) 36.15,16 ; v1(38.13,20.53) 38.19,20.59 arc(38.27,20.64) 38.36,20.66 U4.N22 U4.N23 ; v1(38.13,20.53) 37.85,20.25 ; v1(38.13,20.53) U4.N20 v1(37.48,20.53) ; v1(11.45,20.85) U3.F8 v1(11.45,20.35) ; v1(11.45,20.85) U3.E8 ; v1(11.45,20.85) U3.F7 ; v1(11.45,20.85) U3.E7 v1(11.95,20.85) ; U4.V15 U4.W13 U4.Y13 34.55,24.13 arc(34.55,24.15) 34.53,24.17 34.46,24.25 ; U4.V15 v1(35.53,22.48) ; U4.V15 35.04,22.64 ; v1(30.33,16.63) U4.E5 ; v1(30.33,16.63) U4.D5 v1(30.98,16.63) ; v1(30.33,16.63) U4.E4 v1(30.33,17.28) ; U4.E5 v1(30.33,17.28) ; U4.E5 v1(30.98,16.63) ; U4.E5 U4.F6 ; 36.46,16.34 36.54,16.26 ; 36.46,16.34 36.34,16.46 ; 36.46,16.34 arc(36.48,16.3) 36.46,16.26 ; 36.54,16.26 36.58,16.22 arc(36.64,16.13) 36.66,16.03 36.66,15.71 ; 36.54,16.26 arc(36.5,16.28) 36.46,16.26 ; 37.31,19.06 37.64,19.39 ; 37.31,19.06 U4.J19 ; 37.31,19.06 arc(37.48,19.13) 37.64,19.06 ; 37.64,19.39 37.71,19.46 ; 37.64,19.39 arc(37.57,19.23) 37.64,19.06 ; U4.A12 33.9,15.68 arc(33.92,15.75) 33.96,15.8 v1(34.18,16.03) ; 34.71,22.31 U4.T13 v1(34.23,21.83) ; 34.71,22.31 35.04,22.64 ; 34.71,22.31 arc(34.88,22.38) 35.04,22.31 ; U4.W23 U4.W22 ; U4.D8 U4.E9 ; U4.D8 U4.E6 ; U4.D8 32.22,16.03 ; U4.E9 v1(32.93,17.28) ; U4.E9 32.76,16.79 ; v1(35.53,17.28) U4.E15 35.36,16.79 ; v1(35.53,17.28) U4.F16 v1(35.53,17.93) ; v1(35.53,17.28) U4.E16 ; v1(6.5,16.7) v1(5.8,16.7) ; U4.J19 v1(37.48,18.58) ; U4.J19 36.99,19.06 arc(36.83,19.13) 36.66,19.06 U4.J18 ; U4.J19 36.99,18.74 arc(36.83,18.67) 36.66,18.74 U4.J18 ; v1(37.48,18.58) 38.1,17.95 arc(38.16,17.91) 38.22,17.9 v1(38.29,17.9) ; v1(37.48,18.58) U4.J20 ; U3.K3 13.77,18.53 arc(13.83,18.49) 13.89,18.48 v1(13.96,18.48) ; v1(34.18,16.03) 34.23,16.03 arc(34.27,16.04) 34.31,16.06 U4.D13 34.85,16 ; v1(34.18,16.03) U4.D12 33.74,16.46 ; 36.22,16.02 36.23,16.03 ; 36.22,16.02 arc(36.23,16.03) 36.23,16.03 ; v1(79.45,24.02) R138.1 ; 31.46,23.29 U4.W6 v1(30.98,23.13) ; 31.46,23.29 31.79,22.96 ; 31.46,23.29 arc(31.53,23.13) 31.46,22.96 ; 31.46,23.29 arc(31.63,23.22) 31.79,23.29 ; v1(35.53,22.48) U4.T15 35.04,22.31 ; v1(35.53,22.48) U4.V16 ; v1(35.53,22.48) U4.T16 36.01,22.31 ; U3.F5 v1(12.45,20.85) ; v1(12.45,20.85) U3.F6 ; v1(12.45,20.85) U3.E5 ; v1(12.45,20.85) U3.E6 v1(11.95,20.85) ; U4.J13 35.2,19.55 v1(34.88,19.88) 34.55,19.55 U4.J15 34.55,18.25 v1(34.23,18.58) ; U4.J13 v1(35.53,17.93) ; U4.J13 v1(34.23,18.58) ; U4.J20 38.15,18.9 arc(38.2,18.89) 38.25,18.86 v1(38.29,18.82) ; U4.J20 37.64,19.06 ; v1(13.96,18.48) 14.15,18.29 arc(14.19,18.23) 14.2,18.17 arc(14.22,18.12) 14.27,18.1 v1(14.58,18.1) U3.L1 ; v1(13.96,18.48) 14.02,18.48 arc(14.08,18.49) 14.12,18.52 U3.K2 ; v1(13.96,18.48) 13.74,18.26 arc(13.71,18.22) 13.7,18.16 U3.L3 ; v1(32.06,25.66) 32.06,25.66 arc(32.06,25.66) 32.06,25.65 U4.AB8 v1(32.52,24.34) ; U4.R20 38.15,21.5 arc(38.2,21.51) 38.25,21.54 v1(38.29,21.58) ; v1(38.5,25.26) U4.AB22 U4.AA22 U4.AA23 ; U4.A10 U4.B10 32.98,15.88 arc(32.97,15.92) 32.95,15.95 v1(32.93,15.98) ; U4.T5 v1(30.33,21.83) U4.R5 ; U4.T5 v1(30.33,22.48) U4.V5 ; U4.T5 v1(30.98,22.48) ; U4.J23 U4.J22 v1(38.29,18.82) ; 32.76,16.46 U4.D9 ; 32.76,16.46 arc(32.83,16.63) 32.76,16.79 ; 32.76,16.46 arc(32.93,16.53) 33.09,16.46 ; U4.D9 v1(32.93,15.98) ; U4.D9 U4.E8 U4.D6 v1(30.98,16.63) ; U4.D9 32.33,16.03 ; U3.E8 10.88,21.42 arc(10.81,21.47) 10.74,21.48 v1(10.66,21.48) 10.72,21.54 arc(10.79,21.58) 10.86,21.6 U3.D8 ; U3.E8 U3.D8 ; U4.F5 v1(30.33,17.93) 30.65,18.25 v1(30.33,18.58) U4.J5 v1(30.33,19.23) 30.65,19.55 v1(30.33,19.88) U4.M5 ; U4.F5 U4.E6 ; U4.F5 v1(30.33,17.28) ; U4.A16 U4.B16 v1(35.74,15.82) ; U4.V8 U4.W9 ; U4.V8 v1(31.63,22.48) ; U4.V8 31.79,22.96 ; U4.V8 32.11,22.64 ; v1(31.63,22.48) U4.T6 v1(30.98,22.48) ; v1(31.63,22.48) U4.V6 ; v1(31.63,22.48) U4.T8 32.11,22.31 ; 33.09,16.79 U4.E11 ; 33.09,16.79 arc(32.93,16.72) 32.76,16.79 ; 33.09,16.79 arc(33.02,16.63) 33.09,16.46 ; U4.E11 33.41,16.79 ; U4.E11 v1(32.93,17.28) ; v1(34.23,20.53) U4.M12 33.74,20.36 ; v1(34.23,20.53) U4.N12 ; v1(34.23,20.53) U4.N13 ; v1(35.53,17.93) 35.85,18.25 ; v1(35.74,15.82) 35.74,16.11 arc(35.76,16.19) 35.8,16.25 ; v1(35.74,15.82) 35.71,15.82 arc(35.69,15.82) 35.67,15.84 U4.D15 ; v1(30.98,22.48) U4.V5 ; v1(30.98,22.48) U4.V6 ; U3.H5 U3.G5 v1(12.45,20.35) ; 35.36,16.46 U4.D15 ; 35.36,16.46 arc(35.53,16.53) 35.69,16.46 ; 35.36,16.46 arc(35.43,16.63) 35.36,16.79 ; U4.D15 34.9,16 ; U4.C22 v1(38.29,16.06) 38.19,16.06 arc(38.1,16.04) 38.02,15.99 37.65,15.62 arc(37.63,15.61) 37.61,15.6 arc(37.59,15.59) 37.58,15.58 U4.A20 ; U4.C22 U4.B22 U4.A22 ; U4.C22 U4.C23 ; U3.F6 v1(11.95,20.35) ; U3.F6 v1(12.45,20.35) ; U3.F6 v1(11.95,20.85) ; U4.N12 v1(34.23,21.18) U4.N13 ; U4.N12 33.74,20.69 ; v1(34.23,18.58) U4.J12 ; v1(34.23,18.58) 33.9,18.25 ; 36.01,16.79 36.34,16.46 ; 36.01,16.79 U4.E16 ; 36.01,16.79 arc(36.08,16.63) 36.01,16.46 ; 36.34,16.46 arc(36.18,16.53) 36.01,16.46 ; 36.59,15.68 36.24,16.02 arc(36.24,16.03) 36.23,16.03 ; 36.59,15.68 arc(36.64,15.59) 36.66,15.49 ; 36.59,15.68 arc(36.63,15.67) 36.66,15.71 ; 36.01,22.64 U4.V16 ; 36.01,22.64 36.34,22.31 ; 36.01,22.64 arc(36.08,22.48) 36.01,22.31 ; U4.V16 U4.W18 ; v1(30.98,16.63) U4.E6 ; 35.8,16.36 35.69,16.46 ; 35.8,16.36 arc(35.85,16.33) 35.91,16.36 ; 35.8,16.36 arc(35.82,16.3) 35.8,16.25 ; 35.69,16.46 arc(35.62,16.63) 35.69,16.79 ; U4.R23 U4.R22 v1(38.29,21.58) ; 32.11,22.31 32.44,22.64 ; 32.11,22.31 arc(32.28,22.38) 32.44,22.31 ; 32.11,22.31 arc(32.18,22.48) 32.11,22.64 ; U4.V5 v1(30.98,23.13) ; U4.V5 v1(30.33,23.13) U4.W5 v1(30.98,23.13) ; U4.M5 v1(30.33,20.53) U4.N5 v1(30.98,20.53) U4.M5 ; 35.04,22.64 arc(34.97,22.48) 35.04,22.31 ; 33.74,16.46 33.41,16.79 ; 33.74,16.46 arc(33.58,16.53) 33.41,16.46 ; 33.41,16.79 arc(33.48,16.63) 33.41,16.46 ; v1(32.52,24.34) U4.AB10 v1(32.98,25.02) ; v1(32.52,24.34) 32.56,24.3 arc(32.59,24.26) 32.6,24.2 U4.Y9 ; U4.B2 U4.B1 v1(28.84,15.14) ; 36.15,16 35.91,16.25 ; 35.91,16.25 arc(35.88,16.3) 35.91,16.36 ; 35.91,16.25 arc(35.85,16.27) 35.8,16.25 ; v1(31.63,20.53) U4.N8 32.11,20.69 arc(32.28,20.62) 32.44,20.69 U4.N9 v1(32.93,20.53) ; 36.23,16.03 36.46,16.26 ; 36.23,16.03 arc(36.23,16.03) 36.23,16.03 ; U4.N13 34.71,21.01 arc(34.88,21.08) 35.04,21.01 U4.N15 ; v1(11.95,20.35) U3.G7 v1(11.45,20.35) ; v1(11.95,20.35) U3.G6 v1(12.45,20.35) ; v1(11.95,20.35) U3.F7 ; U4.R18 v1(36.83,21.18) U4.R19 ; U3.D8 11.2,21.76 arc(11.18,21.88) 11.1,21.98 v1(11.01,22.08) 11.1,22.17 arc(11.18,22.28) 11.2,22.4 U3.B8 ; U3.F7 v1(11.45,20.35) ; U3.F7 v1(11.95,20.85) ; 33.74,20.36 arc(33.67,20.53) 33.74,20.69 ; 33.74,20.36 arc(33.58,20.43) 33.41,20.36 ; U4.E23 U4.E22 v1(38.29,16.98) ; 33.41,20.69 U4.N11 v1(32.93,20.53) ; 33.41,20.69 arc(33.58,20.62) 33.74,20.69 ; 33.41,20.69 arc(33.48,20.53) 33.41,20.36 ; v1(38.29,17.9) 38.19,17.9 arc(38.11,17.88) 38.04,17.84 U4.F20 ; v1(38.29,17.9) U4.G22 U4.G23 ; U4.T20 38.26,21.7 arc(38.28,21.66) 38.29,21.62 v1(38.29,21.58) ; 32.44,22.64 U4.V9 U4.W8 31.79,23.29 ; 32.44,22.64 arc(32.37,22.48) 32.44,22.31 ; 32.44,22.64 arc(32.28,22.57) 32.11,22.64 ; v1(38.29,18.82) 38.29,18.94 arc(38.26,19.06) 38.2,19.15 37.9,19.46 ; v1(11.45,20.35) U3.G8 ; U4.P2 28.85,21.12 v1(28.84,21.13) ; 37.85,20.15 37.9,20.11 arc(37.97,20) 37.99,19.88 ; 37.85,20.15 37.75,20.25 ; 37.85,20.15 arc(37.83,20.2) 37.85,20.25 ; 37.91,23.99 38.22,23.69 arc(38.27,23.61) 38.29,23.52 v1(38.29,23.42) ; 37.91,23.99 37.69,24.21 ; 37.91,23.99 arc(37.87,24.1) 37.91,24.21 ; v1(32.93,20.53) U4.M11 33.41,20.36 ; 34.27,24.44 34.46,24.25 ; 34.27,24.44 U4.AB12 v1(33.9,25.02) ; 34.27,24.44 arc(34.36,24.4) 34.46,24.44 ; 34.46,24.25 arc(34.42,24.34) 34.46,24.44 ; v1(90.61,24.03) 90.6,24.02 C130.1 ; v1(30.98,23.13) U4.V6 ; U4.E16 35.69,16.79 ; Q15.2 93.85,24.65 94.28,24.22 v1(94.28,22.94) ; 37.75,20.25 v1(37.48,20.53) ; 37.75,20.25 arc(37.8,20.23) 37.85,20.25 ; 36.01,22.31 arc(36.18,22.38) 36.34,22.31 ; v1(38.29,24.34) 38.16,24.34 arc(38.05,24.32) 37.96,24.25 37.91,24.21 ; U4.U23 U4.U22 v1(38.29,22.5) 38.19,22.5 arc(38.11,22.52) 38.04,22.57 U4.V20 38.24,23.24 arc(38.27,23.29) 38.29,23.35 v1(38.29,23.42) ; 31.79,22.96 arc(31.72,23.13) 31.79,23.29 ; 31.79,22.96 arc(31.63,23.03) 31.46,22.96 ; 36.66,15.49 U4.A18 ; 36.66,15.49 36.66,15.71 ; 35.69,16.79 arc(35.53,16.72) 35.36,16.79 ; U4.K2 U4.K1 28.81,19.28 arc(28.77,19.27) 28.75,19.26 v1(28.3,18.81) 28.72,18.39 arc(28.76,18.37) 28.8,18.36 U4.H1 U4.H2 ; U4.V6 31.46,22.96 ; 31.46,22.96 31.79,23.29 ; v1(28.84,20.2) U4.M2 ; v1(32.93,17.28) U4.F9 ; v1(10.2,18.6) U3.K9 ; U4.J8 v1(32.28,18.58) 31.95,18.25 ; U4.J18 v1(36.18,19.23) ; 22.12,10.41 21.48,10.41 arc(21.37,10.44) 21.28,10.5 v1(21.2,10.58) ; 38.13,19.74 U4.L22 U4.L23 ; 38.13,19.74 arc(38.03,19.78) 37.99,19.88 ; 38.13,19.74 arc(38,19.72) 37.9,19.65 ; v1(37.48,20.53) U4.M19 ; 35.91,16.36 36.01,16.46 ; U3.H4 13.2,19.6 arc(13.2,19.6) 13.2,19.59 v1(13.2,19.48) ; v1(35.74,25.01) U4.AC16 ; 32.11,22.64 32.44,22.31 ; 32.44,22.31 U4.T9 ; 37.71,19.46 37.9,19.65 ; 37.71,19.46 arc(37.8,19.5) 37.9,19.46 ; 37.69,24.21 arc(37.8,24.17) 37.91,24.21 ; 37.69,24.21 arc(37.61,24.33) 37.58,24.48 U4.AB20 U4.AC20 ; v1(32.93,15.98) U4.D11 ; U4.D11 33.41,16.46 ; U4.D11 33.09,16.46 ; 34.9,16 34.85,15.95 ; 34.9,16 arc(34.88,15.99) 34.85,16 ; U3.A1 14.76,23.1 arc(14.81,23.11) 14.86,23.14 v1(15.18,23.46) ; v1(36.66,25.01) U4.AC18 ; v1(32.06,15.14) U4.B8 32.22,15.76 arc(32.26,15.82) 32.28,15.9 ; 37.9,19.46 arc(37.86,19.55) 37.9,19.65 ; 36.34,22.31 U4.T18 ; v1(31.14,15.14) U4.B6 ; 34.85,15.95 arc(34.83,15.92) 34.82,15.88 U4.B14 U4.A14 34.82,14.84 arc(34.8,14.73) 34.74,14.64 v1(34.66,14.56) ; 34.85,15.95 arc(34.86,15.98) 34.85,16 ; U4.AC14 U4.AB14 34.46,24.44 ; U4.T2 v1(28.46,22.04) ; v1(31.14,25.02) U4.AB6 ; 32.22,16.03 arc(32.26,15.97) 32.28,15.9 ; 32.22,16.03 arc(32.28,16.01) 32.33,16.03 ; 37.9,19.65 arc(37.97,19.75) 37.99,19.88 ; v1(98.31,27.57) 98.31,27.09 98.65,26.75 Q14.2 ; 32.33,16.03 arc(32.29,15.97) 32.28,15.9 ; U4.AB1 v1(28.84,25.26) U4.AC2 U4.AB2 U4.AB1
  Bottom w0.2: v1(8.55,12.35) 7.55,12.35 ; J9.A12 7.55,13.1 6.85,13.8 ; J9.SH 5.95,5.79 J9.B12 ; 50.65,28.8 50.65,27.55 v1(50.7,27.5) ; J9.SH 5.95,13.16 J9.B1 ; 95.15,10.8 v1(94.45,10.8) ; 6.85,5.16 7.55,5.86 J9.A1 ; R118.1 v1(105.8,17.5) ; R133.1 v1(110,19.2) ; 66,8.89 66.59,8.89 66.88,9.19 66.88,10.91 Q7.2 ; R115.1 v1(133,18) ; R125.1 58.03,15.47 58.2,15.3 Q8.2 58.2,14 58.5,13.7 v1(58.7,13.7) ; v1(8.35,6.85) 7.55,6.85 ; v1(88.18,24.69) 88.16,24.67 U10.3 ; R32.2 C21.1
  Bottom w0.25: R11.1 54.19,4.96 arc(54.2,4.97) 54.22,4.97 C25.1 ; R37.1 55.45,6.24 arc(55.41,6.18) 55.39,6.11 v1(55.39,6.03) ; v1(53.86,3.33) 54.17,3.03 arc(54.17,3.02) C24.1
  Bottom w0.4: v1(91.82,14.61) 91.23,14.61 R96.1 ; R109.1 R103.1 ; R101.1 R107.1 ; R94.1 92.39,16.46 ; 92.39,15.26 92.27,15.38 arc(92.14,15.47) 91.98,15.5 ; R111.1 R105.1 ; 90.32,7.07 90.32,6.23 arc(90.34,6.32) 90.38,6.39 v1(90.65,6.65) 90.38,6.92 arc(90.34,6.99) 90.32,7.07
  Bottom w0.6: v1(126.26,19.3) 127.57,19.3 D7.A
  vias: v1(5.24,11.98) v1(5.22,6.77) v1(5.78,17.42) v1(6.5,17.4) v1(6.71,11.03) v1(6.73,7.82) v1(7.5,23.35) v1(7.56,17.56) v1(7.72,24.1) v1(8.08,17.54) v1(9.4,15.7) v1(11.08,19.51) v1(12,12.2) v1(12.1,15.7) v1(13.3,11) v1(13.86,2.3) v1(13.86,0.7) v1(14.7,2.3) v1(14.68,0.7) v1(16.16,20.48) v1(20.39,21.88) v1(20.39,16.78) v1(20.39,13.7) v1(20.46,27.77) v1(21.79,3.64) v1(21.77,1.78) v1(22.34,24.98) v1(22.3,19.76) v1(22.34,18.83) v1(23.05,11) v1(23.05,12.5) v1(23.05,11.7) v1(23.05,10.2) v1(23.92,3.69) v1(24.02,26.75) v1(23.95,1.79) v1(24.29,24.98) v1(24.29,23.95) v1(24.29,22.93) v1(24.29,19.83) v1(24.29,16.78) v1(25.9,4.9) v1(25.9,3.3) v1(26.72,3.3) v1(26.8,4.9) v1(27.7,5.01) v1(27.67,3.15) v1(29.82,5.06) v1(29.85,3.16) v1(30.88,27.3) v1(31.74,28.14) v1(32.13,10.35) v1(32.98,28.11) v1(33.23,11.44) v1(33.95,12.7) v1(36.44,26.58) v1(37.07,25.95) v1(37.53,27.68) v1(38.17,27.04) v1(40.91,15.47) v1(40.9,8.57) v1(40.9,6.57) v1(40.9,4.5) v1(40.9,2.43) v1(40.9,0.6) v1(41.47,14.91) v1(41.93,16.49) v1(42.2,9.6) v1(42.49,15.93) v1(42.55,29) v1(43.52,19.5) v1(43.54,18) v1(44.33,19.49) v1(44.28,18.02) v1(44.46,1.73) v1(44.46,1.23) v1(44.7,29.1) v1(44.7,28.51) v1(44.96,1.73) v1(44.96,1.23) v1(45.16,17.84) v1(45.3,23.5) v1(45.64,15.98) v1(45.61,14.07) v1(45.7,10.1) v1(47,12.25) v1(47.2,1.9) v1(47.2,1.4) v1(47.31,19.75) v1(47.34,17.85) v1(47.7,1.9) v1(47.7,1.4) v1(47.76,15.98) v1(47.79,14.08) v1(48.25,13.25) v1(49.5,1.9) v1(49.5,1.4) v1(50,1.9) v1(50,1.4) v1(51.9,1.9) v1(51.9,1.4) v1(52.4,1.9) v1(52.4,1.4) v1(53.03,24.29) v1(53.06,26.2) v1(53.38,16.07) v1(53.85,8.8) v1(53.85,8.3) v1(54.3,23.4) v1(54.35,8.8) v1(54.35,8.3) v1(54.56,1.73) v1(54.56,1.23) v1(54.9,16.1) v1(55.06,1.73) v1(55.06,1.23) v1(55.25,11.25) v1(55.25,10.75) v1(55.45,24.45) v1(55.77,25.97) v1(55.75,11.25) v1(55.75,10.75) v1(56.09,7.23) v1(56.47,25.47) v1(57.6,10) v1(58.1,10) v1(59.32,27.57) v1(60.33,26.17) v1(60.65,31.13) v1(60.89,25.61) v1(61.2,9.9) v1(61.35,27.19) v1(61.72,30.13) v1(61.91,26.63) v1(61.9,9.9) v1(62.7,9.9) v1(63.53,24.77) v1(63.55,23.15) v1(65.4,8.9) v1(65.4,8.4) v1(65.7,25.06) v1(65.73,23.16) v1(65.9,8.9) v1(65.9,8.4) v1(66.51,25.11) v1(67.01,26.76) v1(67.53,24.09) v1(68.03,25.73) v1(69.3,13.2) v1(70.57,25.74) v1(71.13,26.3) v1(71.59,24.72) v1(71.8,13.7) v1(72.15,25.28) v1(74,4.6) v1(74,4.04) v1(74.56,25.16) v1(74.64,15.06) v1(74.56,4.6) v1(74.56,4.04) v1(75.12,25.72) v1(75.46,16.32) v1(75.57,24.14) v1(75.79,4.61) v1(75.79,4.05) v1(75.79,2.65) v1(75.79,2.09) v1(76.14,24.7) v1(76.33,19.21) v1(76.35,4.61) v1(76.35,4.05) v1(76.35,2.65) v1(76.35,2.09) v1(78,15.29) v1(78,14.56) v1(78.3,13.56) v1(78.3,12.84) v1(79.59,9.95) v1(79.59,9.3) v1(79.88,10.54) v1(79.88,8.7) v1(80.32,9.95) v1(80.32,9.3) v1(80.46,17.1) v1(81.19,17.1) v1(81.7,10.54) v1(81.71,9.95) v1(81.71,9.3) v1(81.7,8.7) v1(81.7,5.78) v1(81.94,17.1) v1(82.43,9.95) v1(82.43,9.3) v1(82.66,17.1) v1(82.72,13.47) v1(82.7,10.53) v1(82.7,8.7) v1(83.42,5.27) v1(83.42,4.71) v1(83.42,2.86) v1(83.42,2.3) v1(83.73,13.47) v1(83.98,5.27) v1(83.98,4.71) v1(83.98,2.86) v1(83.98,2.3) v1(85.7,12.44) v1(85.7,11.43) v1(86.98,1.7) v1(88.6,3.4) v1(88.6,2.6) v1(91.82,15.63) v1(91.82,15.12) v1(91.82,14.1) v1(92.33,15.12) v1(92.33,14.61) v1(92.33,14.1) v1(92.84,14.61) v1(92.84,14.1) v1(93.35,14.61) v1(93.35,14.1) v1(100.13,19.45) v1(103.8,10.15) v1(109.8,10.2) v1(115.8,10.15) v1(126.76,19.3) v1(135.17,17.75) v1(135.17,17.2) v1(135.17,16.65) v1(135.72,17.75) v1(135.72,17.2) v1(135.72,16.65) v1(136.27,17.75) v1(136.27,17.2) v1(136.27,16.65) v1(136.8,25.5) v1(136.82,17.75) v1(136.82,17.2) v1(136.82,16.65) v1(137.3,25.5) v1(143.55,28.7) v1(143.55,28.2) v1(144.05,28.7) v1(144.05,28.2) v1(145.7,21.7) v1(151.95,10.92) v1(151.95,10.37) v1(151.95,9.82) v1(151.95,14.7) v1(151.95,14.15) v1(151.95,13.6) v1(152.5,14.7) v1(152.5,14.15) v1(152.5,13.6) v1(152.5,10.92) v1(152.5,10.37) v1(152.5,9.82) v1(153.05,10.92) v1(153.05,10.37) v1(153.05,9.82) v1(153.05,14.7) v1(153.05,14.15) v1(153.05,13.6) v1(153.6,14.7) v1(153.6,14.15) v1(153.6,13.6) v1(153.6,10.92) v1(153.6,10.37) v1(153.6,9.82)
